# KiCad board pcb-40.kicad_pcb (continued)
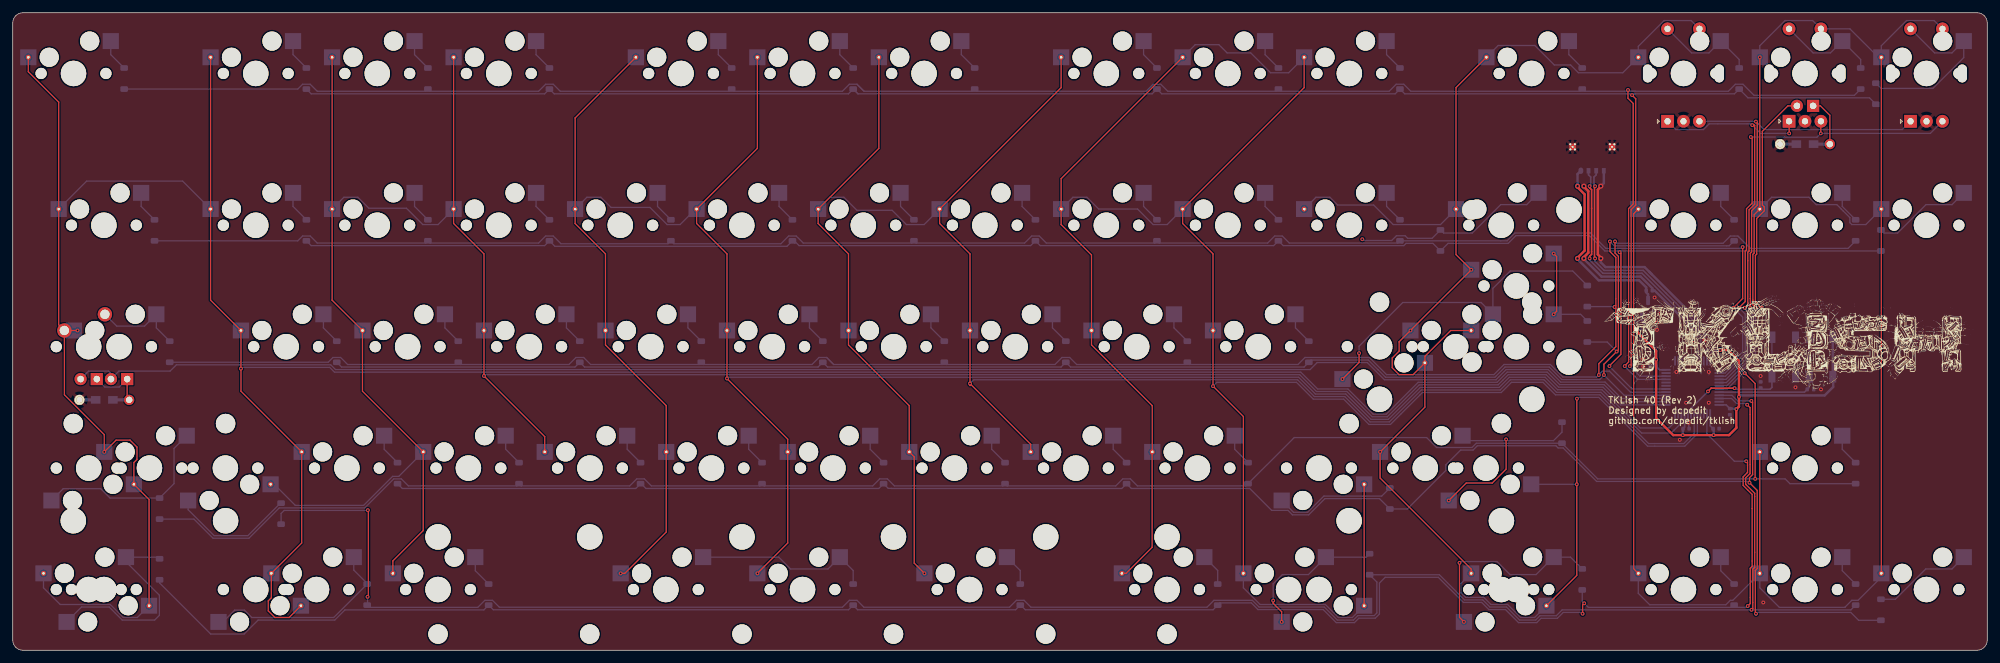
[diagram p0: board, top side]
## Nets (continued)
Net-(D84-A): D84.2 MX84.2
Net-(D85-A): D85.2 MX85.2 MX85#2.2
Net-(D86-A): D86.2 MX86.2 MX86.175.2
Net-(D87-A): D87.2 MX87.2 MX87.15.2
Net-(D88-A): D88.2 MX88.2 SWR1.S2
Net-(D90-A): D90.2 MX90.2
Net-(D91-A): D91.2 MX91.2 MX91.2.2
Net-(D94-A): D94.2 MX94.2 SWR2.S2
Net-(D97-A): D97.2 MX97.2
Net-(D98-A): D98.2 MX98.2
Net-(D99-A): D99.2 MX99.2
Net-(D100-A): D100.2 MX100.2 SWR3.S2
Net-(D102-A): D102.2 MX102.2
Net-(D103-A): D103.2 MX103.2
Net-(D104-A): D104.2 MX104.2
Net-(D105-A): D105.2 MX105.2
Net-(MX13-LEDGND): MX13.4 MX13.125.4 R2.1
Net-(MX94-LEDGND): MX94.4 R3.1

Pads without a net: U1 3 4 11 19 20 25 26 27 28 29 30

## Via types
v1: diameter 0.6, hole 0.3, Top to Bottom, 95 vias
v2: diameter 0.8, hole 0.4, Top to Bottom, 6 vias

## Routing (per net, layer and track width the routed paths; a pad name or vN(x,y) marks a point on that pad's centre or on a via; arc(x,y) is an arc through that point)
+3V3: length 86.4
  Top w0.381: v1(254.73,50.26) 254.73,49.88 257.65,46.96 v1(257.65,45.59) 257.65,36.42 260.32,33.75 v1(261.84,33.75) v1(266.67,33.75) 269.08,33.75 270.22,34.89 v1(270.22,37.81) 270.64,38.23 v1(270.64,39.75) 270.64,45.4 268.95,47.09 v1(267.68,47.09)
  Bottom w0.254: C9.2 266.64,46.93 266.12,46.41 U1.36 ; C6.1 266.12,35.22 U1.1 ; U1.48 268.63,38.49 C7.1 ; C4.1 258.2,43.99 U1.24 ; U1.9 262.12,35.01 C5.1
  Bottom w0.381: SW1.1 SW1.1 ; v1(257.65,45.59) C4.1 ; C5.1 261.84,34.74 v1(261.84,33.75) ; 255.43,53.01 255.43,51.75 C3.1 C2.1 v1(254.73,50.26) ; C6.1 266.67,34.67 v1(266.67,33.75) ; v1(270.22,37.81) 270.13,37.91 C7.1 ; v1(270.64,39.75) 270.86,39.98 284.07,39.98 285.41,41.32 285.41,42.91 ; v1(267.68,47.09) C9.2
+5V: length 29.5
  Top w0.381: v2(245.32,72.8) 245.32,72.64 246.43,71.53 246.43,62.69 245.32,61.59 v2(245.32,61.47)
  Bottom w0.381: C8.2 256.09,56.93 254.98,58.04 248.64,58.04 245.32,61.35 v2(245.32,61.47) ; 256.09,56.14 256.38,55.85 256.38,54.88 ; v2(245.32,72.8) 245.32,74.7 J1.1
GND: length 87.4
  Top w0.381: v2(246.32,72.8) 246.32,72.73 247.01,72.04 247.01,62.36 246.32,61.67 v2(246.32,61.47) ; v2(248.98,61.47) 248.98,61.63 248.5,62.1 248.5,72.26 248.98,72.73 v2(248.98,72.8)
  Bottom w0.2: SW2.1 SW2.1
  Bottom w0.254: U1.35 265.62,47.02 C9.1 ; U1.8 262.62,35.83 v1(262.76,35.69) 262.76,34.83 C5.2
  Bottom w0.381: 262.83,35.62 v1(262.76,35.69) ; v1(263.49,48.67) 263.49,50.35 257.42,56.42 C8.1 257.05,56.79 255.22,58.62 249.1,58.62 246.32,61.39 v2(246.32,61.47) 246.32,61.32 ; 256.59,59.36 265.24,50.7 v1(265.24,48.61) 265.13,48.72 ; 256.59,59.36 256.97,58.98 ; 256.59,59.36 255.84,60.11 249.71,60.11 248.98,60.85 v2(248.98,61.47) ; C2.2 C3.2 257.33,52 257.33,53.01 ; v2(248.98,72.8) 249.45,73.28 J1.4
  vias: v1(255.62,45.69) v1(255.62,44.55) v1(257.4,55.34) v1(257.78,51.4) v1(257.78,50.26) v1(258.29,52.8) v1(260.83,43.66) v1(261.37,33.02) v1(262.35,38.83) v1(265.91,43.66) v1(265.91,38.83) v1(274.03,43.02) v1(274.45,7.49) v1(279.5,41.24) v1(283.5,40.93)
BOOT0: length 22.3
  Bottom w0.2: SW1.2 SW1.2
  Bottom w0.254: U1.44 280.9,40.49 R1.2 281.65,41.24 SW1.2
COL0: length 482.8
  Top w0.2: MX10.1 2.44,90.76 7.2,86 MX12.1 7.2,51.06 MX13.125.1 ; MX21.15.1 43.34,5.13 41.09,5.13 40.06,6.17 40.06,7.75 40.54,8.23 MX21.1 45.3,16.83 MX20.1 35.78,40.64 v1(35.78,44.18) MX19.1 31.01,54.93 MX18.1 MX16.1 ; v1(10.16,50.17) MX13.125.1 ; MX13.125.1 8.1,40.08 14.35,33.83 v1(14.35,31.12) 16.2,32.97 18.39,32.97 19.47,31.88 19.47,29.93 18.99,29.45 MX14.125.1 21.37,23.65 MX15.15.1
  Bottom w0.2: MX12.1 11.59,73.61 26.62,73.61 MX18.1 ; v1(35.78,44.18) 35.98,44.38 49.69,44.38 50.44,43.63 201.93,43.63 204.57,41 209.32,41 213.29,37.03 215.33,37.03 220.34,42.03 232.71,42.03 234.3,43.63 240.57,43.63 242.53,41.67 249.49,41.67 252.16,38.99 U1.14 ; MX15.1 4.82,9.8 7.44,7.18 15.29,7.18 17.33,5.13 19.52,5.13 MX15.15.1
COL1: length 401.2
  Top w0.2: MX22.1 MX24.1 50.06,54.93 MX25.1 54.83,40.64 MX26.1 64.35,18.77 59.59,14.01 MX27.1 ; v1(73.88,43.03) 83.4,33.51 MX32.1 ; v1(73.88,43.03) 73.88,43.31 ; v1(73.88,43.03) 73.88,43.31 ; MX28.1 MX30.1 69.11,66.95 73.88,62.19 MX31.1 73.88,43.31
  Bottom w0.2: 40.42,26.03 40.99,26.03 44.29,22.73 55.01,22.73 59.56,27.28 60.52,27.28 MX26.1 ; MX24.1 51.91,71.06 54.11,71.06 55.83,69.34 61.72,69.34 64.28,66.78 66.68,66.78 MX30.1 ; v1(73.88,43.03) 74.08,43.23 201.76,43.23 204.4,40.59 209.16,40.59 213.13,36.63 215.5,36.63 220.51,41.63 232.87,41.63 234.47,43.23 240.4,43.23 242.37,41.27 249.32,41.27 252.09,38.49 U1.13
COL2: length 368.7
  Top w0.2: v1(116.74,12.06) 121.5,16.83 121.5,33.11 v1(111.98,42.63) MX43.1 111.98,62.19 107.22,66.95 MX42.1 116.74,78.74 MX40.1 ; v1(95.31,12.06) 95.97,12.06 102.45,18.55 MX38.1 102.45,38.37 92.93,47.9 MX37.1 92.93,62.19 88.16,66.95 MX36.1 88.16,83.5 MX34.1
  Bottom w0.2: MX42.1 107.06,69.22 104.63,66.78 102.59,66.78 99.9,69.47 93.8,69.47 92.21,71.06 90.01,71.06 MX36.1 ; v1(111.98,42.63) 112.18,42.83 201.6,42.83 204.23,40.19 208.99,40.19 212.96,36.23 215.67,36.23 220.67,41.24 233.04,41.24 234.63,42.83 240.24,42.83 242.2,40.87 249.15,40.87 255.15,34.87 259.68,34.87 260.62,35.81 U1.12
COL4: length 313.5
  Top w0.2: MX68.1 159.6,32.31 v1(150.08,41.83) 150.08,41.53 MX67.1 150.08,62.19 145.31,66.95 MX66.1 164.36,88.27 MX64.1 ; v1(142.93,12.06) 141.33,13.67 141.33,30.34 MX62.1 140.55,38.37 131.03,47.9 MX61.1 131.03,62.19 126.27,66.95 MX60.1 135.79,78.74 MX58.1
  Bottom w0.2: v1(150.08,41.83) 150.68,42.43 201.43,42.43 204.07,39.79 208.82,39.79 212.79,35.83 215.83,35.83 220.84,40.84 233.2,40.84 234.8,42.43 240.07,42.43 242.03,40.47 248.99,40.47 255.38,34.07 260.01,34.07 260.48,34.54 261.62,35.68 U1.10 ; MX60.1 128.11,71.06 130.31,71.06 132.35,69.02 137.86,69.02 140.1,66.78 142.88,66.78 MX66.1
COL5: length 367.1
  Top w0.2: MX70.1 164.36,73.98 MX72.1 164.36,66.78 169.13,62.01 MX73.1 169.13,47.9 178.65,38.37 MX74.1 178.63,31.09 178.63,16.15 174.55,12.06 MX75.1 ; MX80.1 MX81.15.1 ; MX76.1 202.47,88.27 MX78.1 183.41,66.95 188.18,62.19 MX79.1 188.18,41.4 v1(188.18,41.43) 192.94,36.67 MX81.1
  Bottom w0.2: MX81.1 192.94,9.8 195.56,7.18 205.79,7.18 207.83,5.13 210.02,5.13 MX81.15.1 ; v1(188.18,41.43) 188.78,42.03 201.27,42.03 203.9,39.4 208.66,39.4 212.63,35.43 216,35.43 221.01,40.44 233.37,40.44 234.97,42.03 239.9,42.03 241.87,40.07 248.82,40.07 256.47,32.42 261.98,32.42 263.62,34.05 U1.6 ; MX72.1 166.22,71.06 168.41,71.06 170.26,69.22 176.36,69.22 178.79,66.78 180.98,66.78 MX78.1 ; MX70.1 185.38,95 189.1,95 190.38,93.72 194.08,93.72 197.21,90.59 200.03,90.59 MX76.1
COL6: length 270.3
  Top w0.2: MX85#2.1 221.4,46.12 225.44,50.17 MX91.1 ; MX85#2.1 219.55,43.23 217.36,43.23 216.27,44.32 216.27,45.85 217.36,46.94 217.36,48.39 v1(219.13,50.17) v1(228.66,59.69) 226.28,62.07 MX90.1 226.28,88.27 MX82.1 ; MX85#2.1 221.4,38.14 v1(214.37,31.12) 214.37,27.02 228.66,12.73 MX87.1 ; MX87.15.1 245.21,11.75 v1(245.21,26.03) 245.21,39.44 v1(245.24,39.47)
  Bottom w0.2: SWR1.S1 263.14,98.79 258.9,98.79 254.85,94.74 MX88.1 252.42,90.59 245.46,90.59 244.24,91.82 241.68,91.82 238.62,94.88 232.89,94.88 MX82.1 ; MX87.1 227.06,10.46 227.06,9.02 227.78,8.3 230.63,8.3 231.75,7.18 234.36,7.18 236.41,5.13 238.6,5.13 MX87.15.1 ; U1.5 264.12,33.99 262.15,32.02 256.3,32.02 248.66,39.67 245.44,39.67 v1(245.24,39.47) ; MX90.1 223.84,66.78 216.43,66.78 213.36,69.85 207.72,69.85 206.51,71.06 204.31,71.06 MX84.1 ; MX86.175.1 v1(245.21,26.03)
COL7: length 324.4
  Top w0.2: MX97.1 254.13,68.49 254.13,12.79 MX99.1 ; 272.81,54.99 272.81,54.21 v1(273.3,53.72) ; 272.82,54.74 272.82,62.11 273.02,62.31 273.02,68.33 MX103.1 v1(273.9,93.03) ; MX100.1 MX102.1 MX104.1 ; MX98.1 MX105.1
  Bottom w0.2: U1.41 268.66,41.99 272.81,46.15 272.81,53.23 v1(273.3,53.72) ; v1(273.9,93.03) 273.9,94.83 277.86,98.79 282.19,98.79 SWR2.S1 288.03,97.49 292.49,93.03 MX100.1 292.95,94.83 296.91,98.79 301.24,98.79 SWR3.S1 ; MX99.1 254.85,8.93 256.65,7.13 268.58,7.13 269.28,7.83 269.67,7.83 MX105.1 273.9,9.8 276.97,6.73 287.27,6.73 287.27,6.78 288.33,7.83 289.31,7.83 292.95,11.48 MX104.1 ; MX102.1 290.52,66.78 288.33,66.78 288.02,67.08 288.02,67.87 285.99,69.91 282.76,69.91 281.6,71.06 275.75,71.06 MX103.1
D_N: length 40.9
  Top w0.254: v1(247.22,61.47) 247.22,61.81 247.53,62.11 247.53,72.25 247.22,72.56 v1(247.22,72.8)
  Bottom w0.254: v1(247.22,72.8) 247.4,72.98 247.4,74.24 247.05,74.59 J1.2 ; v1(247.22,61.47) 247.22,61.22 249.31,59.14 255.44,59.14 264.12,50.46 U1.32
D_P: length 40.5
  Top w0.254: v1(248.08,61.47) 247.99,61.56 247.99,72.71 v1(248.08,72.8)
  Bottom w0.254: v1(248.08,72.8) 247.9,72.98 247.9,74.24 248.25,74.59 J1.3 ; U1.33 264.62,50.6 255.62,59.59 249.5,59.59 248.08,61.02 v1(248.08,61.47)
LED_CAPS: length 255.5
  Bottom w0.2: U1.15 252.23,39.49 249.65,42.07 242.7,42.07 240.73,44.03 234.14,44.03 232.54,42.44 215.06,42.44 212.36,45.13 204.5,45.13 203.4,44.03 50.6,44.03 49.85,44.78 25.65,44.78 24.67,43.8 16.65,43.8 MX13.3 15.4,43.4 15,43.8 11.91,43.8 11.61,43.5 11.59,43.5 MX13.125.3
LED_SLCK: length 51.5
  Top w0.2: v1(274.19,53.72) 273.22,54.7 273.22,61.95 273.42,62.15 273.42,67.74 274.6,68.93 274.6,69.55 274.3,69.85 274.3,81.4 278.31,85.41 MX94.3
  Bottom w0.2: U1.42 268.73,41.49 273.21,45.98 273.21,52.74 v1(274.19,53.72)
NRST: length 23.1
  Top w0.254: v1(265.78,40.61) 266.29,41.12 v1(269.95,41.12)
  Bottom w0.2: SW2.2 SW2.2
  Bottom w0.254: SW2.2 275.8,41.23 275.52,40.95 274.23,40.95 C1.2 273.84,40.95 270.12,40.95 v1(269.95,41.12) ; U1.7 263.12,37.95 v1(265.78,40.61)
RE1: length 65.6
  Top w0.2: v1(271.53,53.72) 272.02,54.21 272.02,61.09 272.02,62.44 272.22,62.65 272.22,69.09 273.1,69.98 273.1,82.33 273.05,82.38 v1(272.72,82.38) ; SWR2.A 278.51,82.96 v1(278.51,81.09)
  Bottom w0.2: v1(271.53,53.72) 272.02,53.23 272.02,46.48 268.53,42.99 U1.39 ; v1(278.51,81.09) 274.02,81.09 v1(272.72,82.38) 272.52,82.59 265.98,82.59 265.08,81.69 260.74,81.69 SWR1.A
RE2: length 77.8
  Top w0.2: v1(272.41,53.72) 272.41,55.16 272.42,55.16 272.42,62.28 272.62,62.48 272.62,68.92 273.5,69.8 273.5,82.73 v1(273.3,82.93)
  Bottom w0.2: SWR3.A 296.24,81.69 274.55,81.69 v1(273.3,82.93) 273.25,82.99 SWR1.B ; U1.40 268.6,42.49 272.41,46.31 v1(272.41,53.72)
RE3: length 73.6
  Top w0.2: SWR2.B 283.46,82.96 v1(283.46,81.09) ; v1(270.64,53.72) 271.62,54.7 271.62,62.61 271.82,62.81 271.82,69.26 272.7,70.14 272.7,80.36 272.54,80.52 v1(272.5,80.52)
  Bottom w0.2: v1(272.5,80.52) 277.75,80.52 277.78,80.49 282.86,80.49 v1(283.46,81.09) 300.64,81.09 SWR3.B ; U1.38 268.47,43.49 271.62,46.64 271.62,52.74 v1(270.64,53.72)
ROW0: length 334.6
  Top w0.2: v1(253.24,87.89) 253.24,86.59 254.05,85.78 254.05,70.02 253.33,69.29 253.33,45.23 252.73,44.63 v1(252.73,44.58)
  Bottom w0.2: 254.38,87.69 252.73,87.69 ; 254.38,87.69 253.44,87.69 v1(253.24,87.89) 253.04,87.69 252.73,87.69 ; 254.38,87.69 268.97,87.69 270.07,88.79 271.27,88.79 273,87.06 288.74,87.06 D94.1 ; 252.73,87.69 246.41,87.69 D82.1 245.71,87.69 219.19,87.69 218.09,88.79 216.89,88.79 215.79,87.69 198.79,87.69 D70.1 198.09,87.69 181.09,87.69 179.99,88.79 178.79,88.79 177.69,87.69 151.16,87.69 D58.1 150.46,87.69 133.46,87.69 ; D10.1 44.69,88.04 45.44,88.79 46.64,88.79 47.74,87.69 64.74,87.69 D22.1 65.44,87.69 82.44,87.69 83.54,88.79 84.74,88.79 85.84,87.69 112.36,87.69 D34.1 113.06,87.69 130.06,87.69 131.16,88.79 132.36,88.79 ; 133.46,87.69 132.36,88.79 ; 133.46,87.69 132.36,88.79 ; U1.21 254.77,42.49 252.73,44.53 v1(252.73,44.58)
ROW2: length 279.5
  Top w0.2: v1(269.75,53.72) 271.22,55.19 v1(271.22,63.24)
  Bottom w0.2: v1(269.75,53.72) 271.22,52.25 271.22,46.81 268.4,43.99 U1.37 ; D84.1 234.28,64.23 235.5,65.45 247.36,65.45 249.77,63.04 271.02,63.04 v1(271.22,63.24) ; D84.1 217.84,63.88 ; D84.1 217.14,63.88 200.14,63.88 199.04,64.98 197.84,64.98 196.74,63.88 179.74,63.88 D72.1 179.04,63.88 162.04,63.88 160.94,64.98 159.74,64.98 158.64,63.88 141.64,63.88 D60.1 140.94,63.88 123.94,63.88 122.84,64.98 121.64,64.98 120.43,63.77 103.65,63.77 D36.1 102.73,63.77 85.94,63.77 84.74,64.98 83.54,64.98 82.44,63.88 65.44,63.88 D24.1 64.74,63.88 47.74,63.88 46.64,64.98 45.44,64.98 44.69,64.23 22.22,64.23
ROW3: length 292.7
  Top w0.2: v1(250.41,64.14) 250.41,62.55 251.33,61.63 251.33,54.05 v1(251.13,53.85) 251.33,53.65 251.33,47.62 248.67,44.96 v1(248.67,43.18)
  Bottom w0.2: v1(251.13,53.85) 251.07,53.91 D85.1 ; v1(250.41,64.14) 250.41,64.09 251.05,63.44 269.09,63.44 269.88,64.23 ; U1.17 253.62,40.49 250.33,43.78 249.22,43.78 248.67,43.23 v1(248.67,43.18) 248.35,42.87 243.03,42.87 241.06,44.83 233.81,44.83 232.21,43.23 215.39,43.23 212.69,45.93 202.6,45.93 201.5,44.83 184.5,44.83 D73.1 183.8,44.83 166.8,44.83 165.7,45.93 164.5,45.93 163.4,44.83 146.37,44.83 146.05,45.15 D61.1 145.7,44.83 128.7,44.83 ; 127.6,45.93 126.4,45.93 125.3,44.83 108.3,44.83 D37.1 107.6,44.83 90.6,44.83 89.5,45.93 88.3,45.93 87.2,44.83 70.2,44.83 D25.1 69.5,44.83 52.5,44.83 51.4,45.93 50.2,45.93 49.45,45.18 D13.1 ; 127.6,45.93 128.7,44.83 ; 127.6,45.93 128.7,44.83
ROW4: length 303.6
  Top w0.2: v1(271.55,43.47) 273.18,41.84 v1(273.18,26.88)
  Bottom w0.2: D14.1 28.4,20.57 31.4,17.58 37.03,17.58 41.78,22.33 55.18,22.33 59.73,26.88 60.92,26.88 62.02,25.78 79.03,25.78 D26.1 79.72,25.78 96.73,25.78 97.83,26.88 99.02,26.88 100.12,25.78 117.12,25.78 D38.1 117.83,25.78 134.83,25.78 135.93,26.88 137.13,26.88 138.23,25.78 155.22,25.78 D62.1 155.92,25.78 172.93,25.78 174.03,26.88 175.22,26.88 176.32,25.78 193.33,25.78 ; U1.43 268.79,40.99 271.27,43.47 v1(271.55,43.47) ; D98.1 278.63,26.13 277.88,26.88 v1(273.18,26.88) 248.49,26.88 D86.1 229.46,32.48 228.78,31.81 223.23,31.81 221.67,33.37 200.91,33.37 D74.1
ROW5: length 306.8
  Top w0.2: v1(246.13,5.73) 246.13,7.11 v1(246.38,7.37) ; v1(272.01,6.93) 272.4,7.32 272.4,12.86 272.7,13.16 272.7,24.45 271.29,25.87 271.29,27.2 271.98,27.89 271.98,29.45 v1(271.78,29.65)
  Bottom w0.2: D87.1 246.06,7.68 v1(246.38,7.37) 247.02,6.73 269.52,6.73 D99.1 270.23,6.73 271.81,6.73 v1(272.01,6.93) ; v1(271.78,29.65) 269.92,29.65 265.62,33.95 U1.2 ; v1(246.13,5.73) 245.93,5.93 243.08,5.93 242.17,5.01 239.61,5.01 238.93,4.34 236.07,4.34 234.03,6.38 231.42,6.38 230.3,7.5 227.44,7.5 223.5,11.44 215.17,11.44 214.27,10.54 214.27,5.69 213.61,5.03 211.05,5.03 210.35,4.34 207.5,4.34 205.45,6.38 195.23,6.38 194.17,7.43 189.26,7.43 D75.1 188.18,6.35 158.75,6.35 158.02,7.08 D63.1 157.23,6.35 132.46,6.35 131.76,7.05 D39.1 131.03,6.35 75.34,6.35 D27.1 73.86,6.33 52.08,6.33 50.48,4.74 38.47,4.74 36.27,2.54 31.04,2.54 23.02,10.56 D15.1
ROW6: length 302.1
  Top w0.2: v1(253.53,44.58) 253.73,44.78 253.73,69.13 254.45,69.85 254.45,86.51 v1(253.87,87.09)
  Bottom w0.2: 253.11,87.29 218.24,87.29 D76.1 216.74,87.29 180.14,87.29 D64.1 178.64,87.29 132.51,87.29 ; 253.11,87.29 253.67,87.29 v1(253.87,87.09) 254.07,87.29 254.38,87.29 ; 253.11,87.29 254.38,87.29 ; v1(253.53,44.58) 255.11,42.99 U1.22 ; D16.1 46.79,87.29 83.39,87.29 D28.1 84.89,87.29 131.01,87.29 D40.1 ; D100.1 291.1,86.66 272.05,86.66 D88.1 269.92,87.29 254.38,87.29 ; D40.1 132.51,87.29 ; D40.1 132.51,87.29
ROW8: length 282.7
  Top w0.2: v1(250.33,44.58) 250.33,44.63 252.13,46.43 252.13,62.24 v1(251.93,62.44)
  Bottom w0.2: 122.64,63.83 D42.1 121.38,63.37 85,63.37 D30.1 83.39,63.48 46.79,63.48 D18.1 ; v1(251.93,62.44) 251.91,62.44 251.71,62.64 252.22,62.64 ; v1(251.93,62.44) 251.73,62.64 249.6,62.64 247.2,65.05 235.67,65.05 234.45,63.83 225.03,63.83 D90.1 222.65,63.83 218.44,63.83 218.09,63.48 199.19,63.48 D78.1 197.69,63.48 161.09,63.48 D66.1 159.59,63.48 123.27,63.48 122.52,64.23 ; v1(251.93,62.44) 252.13,62.64 252.22,62.64 ; v1(250.33,44.58) 250.33,44.53 253.87,40.99 U1.18 ; 252.22,62.64 D102.1
ROW9: length 282.2
  Top w0.2: v1(251.21,64.14) 251.21,62.32 251.73,61.8 251.73,47.13 v1(251.46,46.86) 249.47,44.87 v1(249.47,43.18)
  Bottom w0.2: D19.1 51.55,44.43 88.15,44.43 D31.1 89.65,44.43 126.25,44.43 D43.1 127.75,44.43 164.35,44.43 D67.1 165.85,44.43 202.45,44.43 D79.1 203.55,45.53 212.53,45.53 215.22,42.83 232.38,42.83 233.97,44.43 240.9,44.43 242.86,42.47 248.8,42.47 249.47,43.13 v1(249.47,43.18) 252.65,39.99 U1.16 ; v1(251.46,46.86) 249.97,48.36 D91.1 ; v1(251.21,64.14) 251.5,63.84 268.14,63.84 269.28,64.98 270.47,64.98 272.41,63.04 287.74,63.04 288.92,64.23
ROW10: length 284.7
  Top w0.2: v1(273.3,5.73) 273.2,5.83 273.2,12.53 273.5,12.83 273.5,25.07 v1(272.29,26.28) 272.29,27.07 272.78,27.56 272.78,38.92 v1(272.58,39.12)
  Bottom w0.2: v1(273.3,5.73) 273.5,5.93 288.16,5.93 289.39,4.7 D104.1 ; 272.15,26.42 v1(272.29,26.28) 272.09,26.48 248.32,26.48 243.07,31.73 242.29,31.73 241.94,32.08 229.62,32.08 228.95,31.41 227,31.41 224.68,29.08 224.68,28.21 218.63,22.16 D80.1 214.28,23.78 205.72,23.78 203.18,21.25 200.63,21.25 199.93,21.94 197.37,21.94 193.93,25.38 175.37,25.38 D68.1 173.87,25.38 137.75,25.38 137.73,25.4 137.26,25.4 D44.1 135.78,25.38 99.27,25.38 98.52,26.13 D32.1 97.67,25.38 61.07,25.38 D20.1 ; U1.45 269.55,39.99 270.42,39.12 v1(272.58,39.12)
ROW11: length 318.7
  Top w0.2: v1(55.67,21.97) 55.75,21.89 55.75,8.51 v1(55.63,8.38) ; v1(272.6,6.34) 272.8,6.54 272.8,12.69 273.1,12.99 273.1,24.62 271.69,26.03 271.69,27.04 272.38,27.72 272.38,38.06 v1(271.92,38.52)
  Bottom w0.2: 272.67,6.33 288.17,6.33 D105.1 ; 272.67,6.33 242.92,6.33 242,5.41 239.44,5.41 238.76,4.74 236.24,4.74 234.19,6.78 231.59,6.78 230.47,7.9 227.61,7.9 223.67,11.84 D81.1 213.87,10.7 213.87,5.86 213.45,5.44 210.89,5.44 210.19,4.74 207.67,4.74 205.62,6.78 195.39,6.78 194.34,7.83 188.31,7.83 187.23,6.75 159.64,6.75 158.55,7.83 157.36,7.83 156.28,6.75 133.44,6.75 132.36,7.83 131.16,7.83 130.08,6.75 76.29,6.75 75.21,7.83 74.01,7.83 72.91,6.73 55.88,6.73 55.56,7.05 D21.1 55.63,7.14 v1(55.63,8.38) ; 272.67,6.33 272.61,6.33 v1(272.6,6.34) ; v1(271.92,38.52) 271.72,38.72 270.26,38.72 269.48,39.49 U1.46 ; v1(55.67,21.97) 55.62,21.93 42.54,21.93 42.07,21.46 D33.1
Net-(D10-A): length 5.1
  Bottom w0.2: MX10.2 15.37,93.44 D10.2
Net-(D12-A): length 5.1
  Bottom w0.2: MX12.2 20.13,69.63 D12.2
Net-(D13-A): length 14.7
  Bottom w0.2: D13.2 22.51,50.58 MX13.2 20.66,50.86 16.3,50.86 MX13.125.2
Net-(D14-A): length 29.9
  Bottom w0.2: MX14.2 25.29,31.67 25.29,26.14 D14.2 15.26,23.88 13.79,25.34 7.91,25.34 MX14.125.2
Net-(D15-A): length 33.3
  Bottom w0.2: D15.2 22.76,14.6 MX15.2 17.75,13.87 22.99,8.64 22.99,5.47 22.25,4.74 17.17,4.74 15.12,6.78 10.78,6.78 MX15.15.2
Net-(D16-A): length 5.1
  Bottom w0.2: D16.2 43.94,93.44 MX16.2
Net-(D18-A): length 5.1
  Bottom w0.2: MX18.2 43.94,69.63 D18.2
Net-(D19-A): length 5.1
  Bottom w0.2: D19.2 48.7,50.58 MX19.2
Net-(D20-A): length 5.1
  Bottom w0.2: D20.2 58.23,31.53 MX20.2
Net-(D21-A): length 31.8
  Bottom w0.2: MX21.2 53.47,12.57 55.56,10.48 D21.2 50.32,5.13 37.49,5.13 36.33,6.29 34.79,6.29 32.94,4.44 MX21.15.2
Net-(D22-A): length 5.1
  Bottom w0.2: MX22.2 62.99,93.44 D22.2
Net-(D24-A): length 5.1
  Bottom w0.2: D24.2 62.99,69.63 MX24.2
Net-(D25-A): length 5.1
  Bottom w0.2: MX25.2 67.75,50.58 D25.2
Net-(D26-A): length 5.1
  Bottom w0.2: D26.2 77.28,31.53 MX26.2
Net-(D27-A): length 5.1
  Bottom w0.2: D27.2 72.52,12.48 MX27.2
Net-(D28-A): length 5.1
  Bottom w0.2: MX28.2 82.04,93.44 D28.2
Net-(D30-A): length 5.1
  Bottom w0.2: MX30.2 82.04,69.63 D30.2
Net-(D31-A): length 5.1
  Bottom w0.2: MX31.2 86.8,50.58 D31.2
Net-(D32-A): length 5.1
  Bottom w0.2: MX32.2 96.33,31.53 D32.2
Net-(D33-A): length 19.8
  Bottom w0.2: D33.2 41.97,23.08 36.86,17.98 31.56,17.98 27.5,22.04 MX33.2
Net-(D34-A): length 5.1
  Bottom w0.2: D34.2 110.62,93.44 MX34.2
Net-(D36-A): length 5.1
  Bottom w0.2: MX36.2 101.09,69.63 D36.2
Net-(D37-A): length 5.1
  Bottom w0.2: MX37.2 105.85,50.58 D37.2
Net-(D38-A): length 5.1
  Bottom w0.2: D38.2 115.38,31.53 MX38.2
Net-(D39-A): length 28.1
  Bottom w0.2: MX39.275.2 120.09,14.6 121.94,12.75 127.82,12.75 MX39.2 131.76,12.51 D39.2
Net-(D40-A): length 5.1
  Bottom w0.2: D40.2 129.67,93.44 MX40.2
Net-(D42-A): length 5.1
  Bottom w0.2: MX42.2 120.14,69.63 D42.2
Net-(D43-A): length 5.1
  Bottom w0.2: D43.2 124.9,50.58 124.9,52.7
Net-(D44-A): length 5.1
  Bottom w0.2: D44.2 134.43,31.53 MX44.2
Net-(D58-A): length 5.1
  Bottom w0.2: MX58.2 148.72,93.44 D58.2
Net-(D60-A): length 5.1
  Bottom w0.2: D60.2 139.19,69.63 MX60.2
Net-(D61-A): length 5.1
  Bottom w0.2: MX61.2 143.95,50.58 D61.2
Net-(D62-A): length 5.1
  Bottom w0.2: MX62.2 153.48,31.53 D62.2
Net-(D63-A): length 5.1
  Bottom w0.2: MX63.2 157.96,12.51 D63.2
Net-(D64-A): length 5.1
  Bottom w0.2: MX64.2 177.29,93.44 D64.2
Net-(D66-A): length 5.1
  Bottom w0.2: MX66.2 158.24,69.63 D66.2
Net-(D67-A): length 5.1
  Bottom w0.2: D67.2 163,50.58 MX67.2
Net-(D68-A): length 5.1
  Bottom w0.2: D68.2 172.53,31.53 MX68.2
Net-(D70-A): length 5.1
  Bottom w0.2: D70.2 196.34,93.44 MX70.2
Net-(D72-A): length 5.1
  Bottom w0.2: D72.2 177.29,69.63 MX72.2
Net-(D73-A): length 5.1
  Bottom w0.2: MX73.2 182.05,50.58 D73.2
Net-(D74-A): length 5.1
  Bottom w0.2: D74.2 191.58,31.53 MX74.2
Net-(D75-A): length 5.1
  Bottom w0.2: D75.2 188.91,12.51 MX75.2
Net-(D76-A): length 5.1
  Bottom w0.2: MX76.2 215.39,93.44 D76.2
Net-(D78-A): length 5.1
  Bottom w0.2: MX78.2 196.34,69.63 D78.2
Net-(D79-A): length 5.1
  Bottom w0.2: D79.2 201.1,50.58 MX79.2
Net-(D80-A): length 19.3
  Bottom w0.2: MX80.2 200.8,21.65 203.01,21.65 205.55,24.19 214.62,24.19 D80.2
Net-(D81-A): length 23.6
  Top w0.2: v1(197.61,7.78) 197.61,7.37 198.95,6.03 v1(198.95,4.44)
  Bottom w0.2: v1(197.61,7.78) 197.61,10.43 199.05,11.87 203.13,11.87 MX81.2 212.19,14.6 D81.2
Net-(D82-A): length 5.1
  Bottom w0.2: D82.2 243.97,93.44 MX82.2
Net-(D84-A): length 5.1
  Bottom w0.2: MX84.2 215.39,69.63 D84.2
Net-(D85-A): length 52
  Top w0.2: v1(208.47,42.54) 211.07,45.15 v1(211.07,46.61)
  Bottom w0.2: v1(211.07,46.61) 211.07,47.7 217.93,54.56 230.21,54.56 MX85.2 232.06,56.78 234.77,59.49 244.57,59.49 D85.2 246.6,57.21
Net-(D86-A): length 33.9
  Top w0.2: v1(234.13,33.08) 234.13,28.41 231.95,26.23 227.88,26.23 v1(225.14,23.5)
  Bottom w0.2: MX86.2 228.07,32.88 233.93,32.88 v1(234.13,33.08) 234.33,32.88 241.55,32.88 242.89,34.21 D86.2
Net-(D87-A): length 31.6
  Top w0.2: v1(227.52,4.44) 226.82,5.14 v1(226.82,13.72)
  Bottom w0.2: v1(226.82,13.72) 227.02,13.91 232.7,13.91 234.75,11.87 238.82,11.87 241.56,14.6 MX87.2 244.22,14.6 D87.2
Net-(D88-A): length 16.1
  Bottom w0.2: SWR1.S2 263.21,93.72 265.93,93.72 MX88.2 270.67,92.68 D88.2
Net-(D90-A): length 31.5
  Bottom w0.2: MX90.2 237.35,69.91 233.28,69.91 228.82,65.45 224.33,65.45 D90.2 222.53,64.63 218.69,64.63 218.3,65.02 216.93,65.02 216.19,64.28 211.78,64.28 v1(211.58,64.48)
Net-(D91-A): length 15.6
  Top w0.2: v1(241.59,52.7) 242.05,53.17 242.05,61.77 v1(241.59,62.23)
  Bottom w0.2: D91.2 245.81,52.7 v1(241.59,52.7)
Net-(D94-A): length 16.1
  Bottom w0.2: D94.2 289.72,92.68 MX94.2 284.98,93.72 282.26,93.72 SWR2.S2
Net-(D97-A): length 5.1
  Bottom w0.2: MX97.2 267.78,69.63 D97.2
Net-(D98-A): length 5.1
  Bottom w0.2: D98.2 286.83,31.53 MX98.2
Net-(D99-A): length 5.1
  Bottom w0.2: MX99.2 267.78,12.48 D99.2
Net-(D100-A): length 29.4
  Bottom w0.2: D100.2 292.92,88.14 301.04,88.14 305.88,92.98 MX100.2 304.03,93.72 301.31,93.72 SWR3.S2
Net-(D102-A): length 15.8
  Bottom w0.2: MX102.2 304.03,69.91 299.95,69.91 295.5,65.45 293.39,65.45 D102.2
Net-(D103-A): length 5.1
  Bottom w0.2: MX103.2 286.83,69.63 D103.2
Net-(D104-A): length 15.7
  Bottom w0.2: D104.2 295.16,8 299.92,12.75 304.03,12.75 MX104.2
Net-(D105-A): length 5.1
  Bottom w0.2: D105.2 286.83,12.48 MX105.2
Net-(MX13-LEDGND): length 9.2
  Top w0.2: MX13.4 17.94,39.59 R2.1
  Bottom w0.2: MX13.4 16.69,41.29 14.43,41.29 MX13.125.4
Net-(MX94-LEDGND): length 7.8
  Top w0.2: R3.1 284.89,83.93 283.41,85.41 MX94.4

## Copper pours and planes (outline as drawn; the poured copper is in the pictures)
GND on Top, Bottom: 0,100.01 0,0 309.56,0 309.56,100.01

## Text on the board
B.Silkscreen: RESET | BOOT
F.Silkscreen: TKLish 40 (Rev 2) / Designed by dcpedit / github.com/dcpedit/tklish
